# Altium PCB RF Front.PcbDoc
Units mil, origin at the board's own origin, x right, y up, seen from the top; angles counter-clockwise.
Board outline 2093 x 1828 mil, 4 copper layers (Top Layer, GND Layer, PWR Layer, Bottom Layer), stack 61.855 mil thick; 44 components, 28 nets, 139 pads, 497 vias.
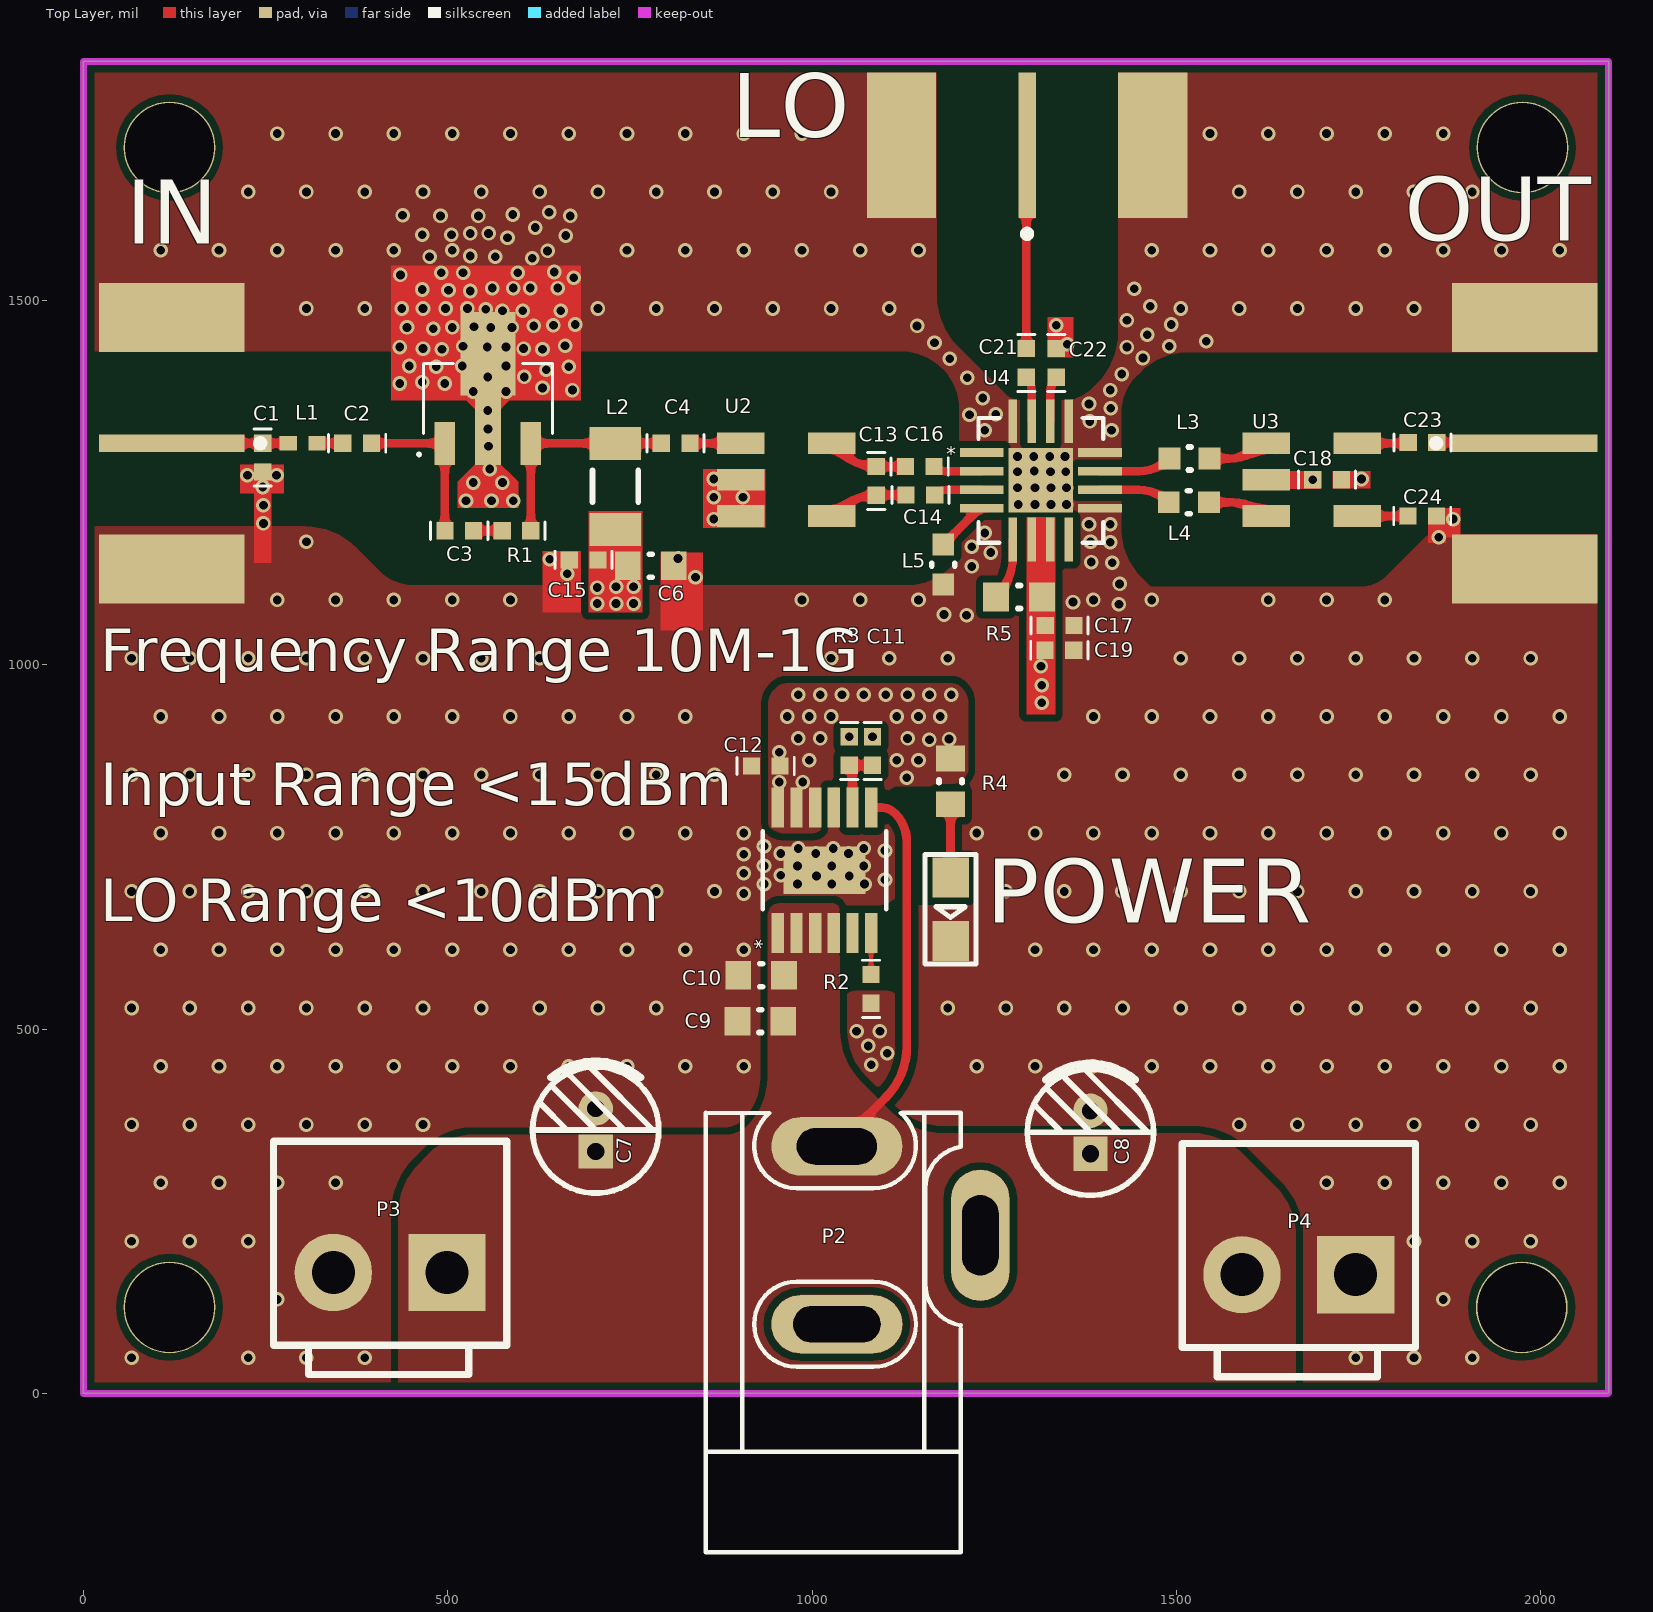
[diagram p0: Top Layer view]
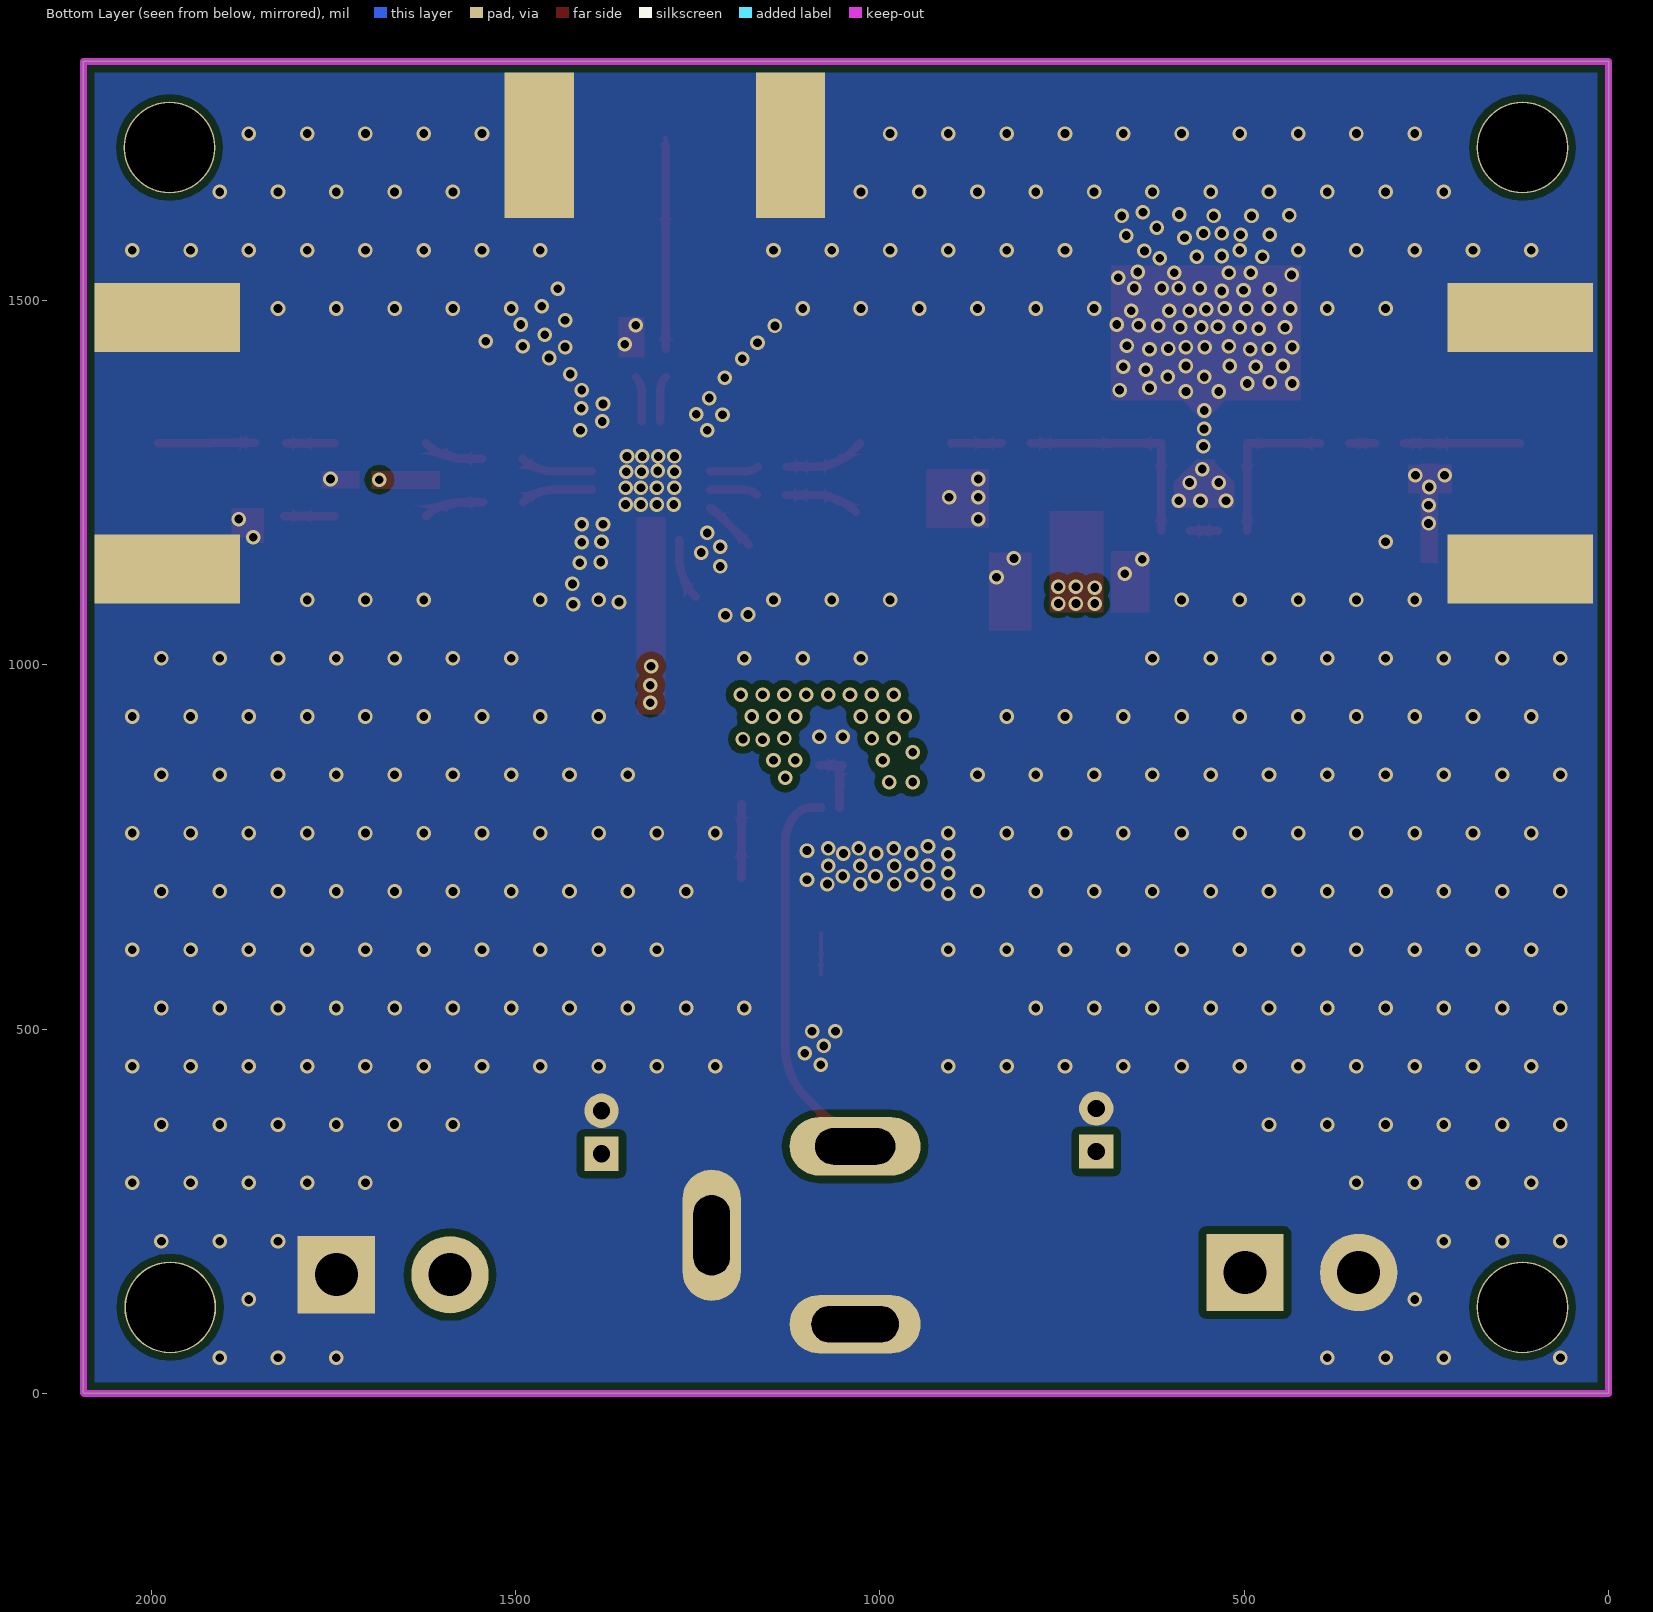
[diagram p1: Bottom Layer view, seen from below]
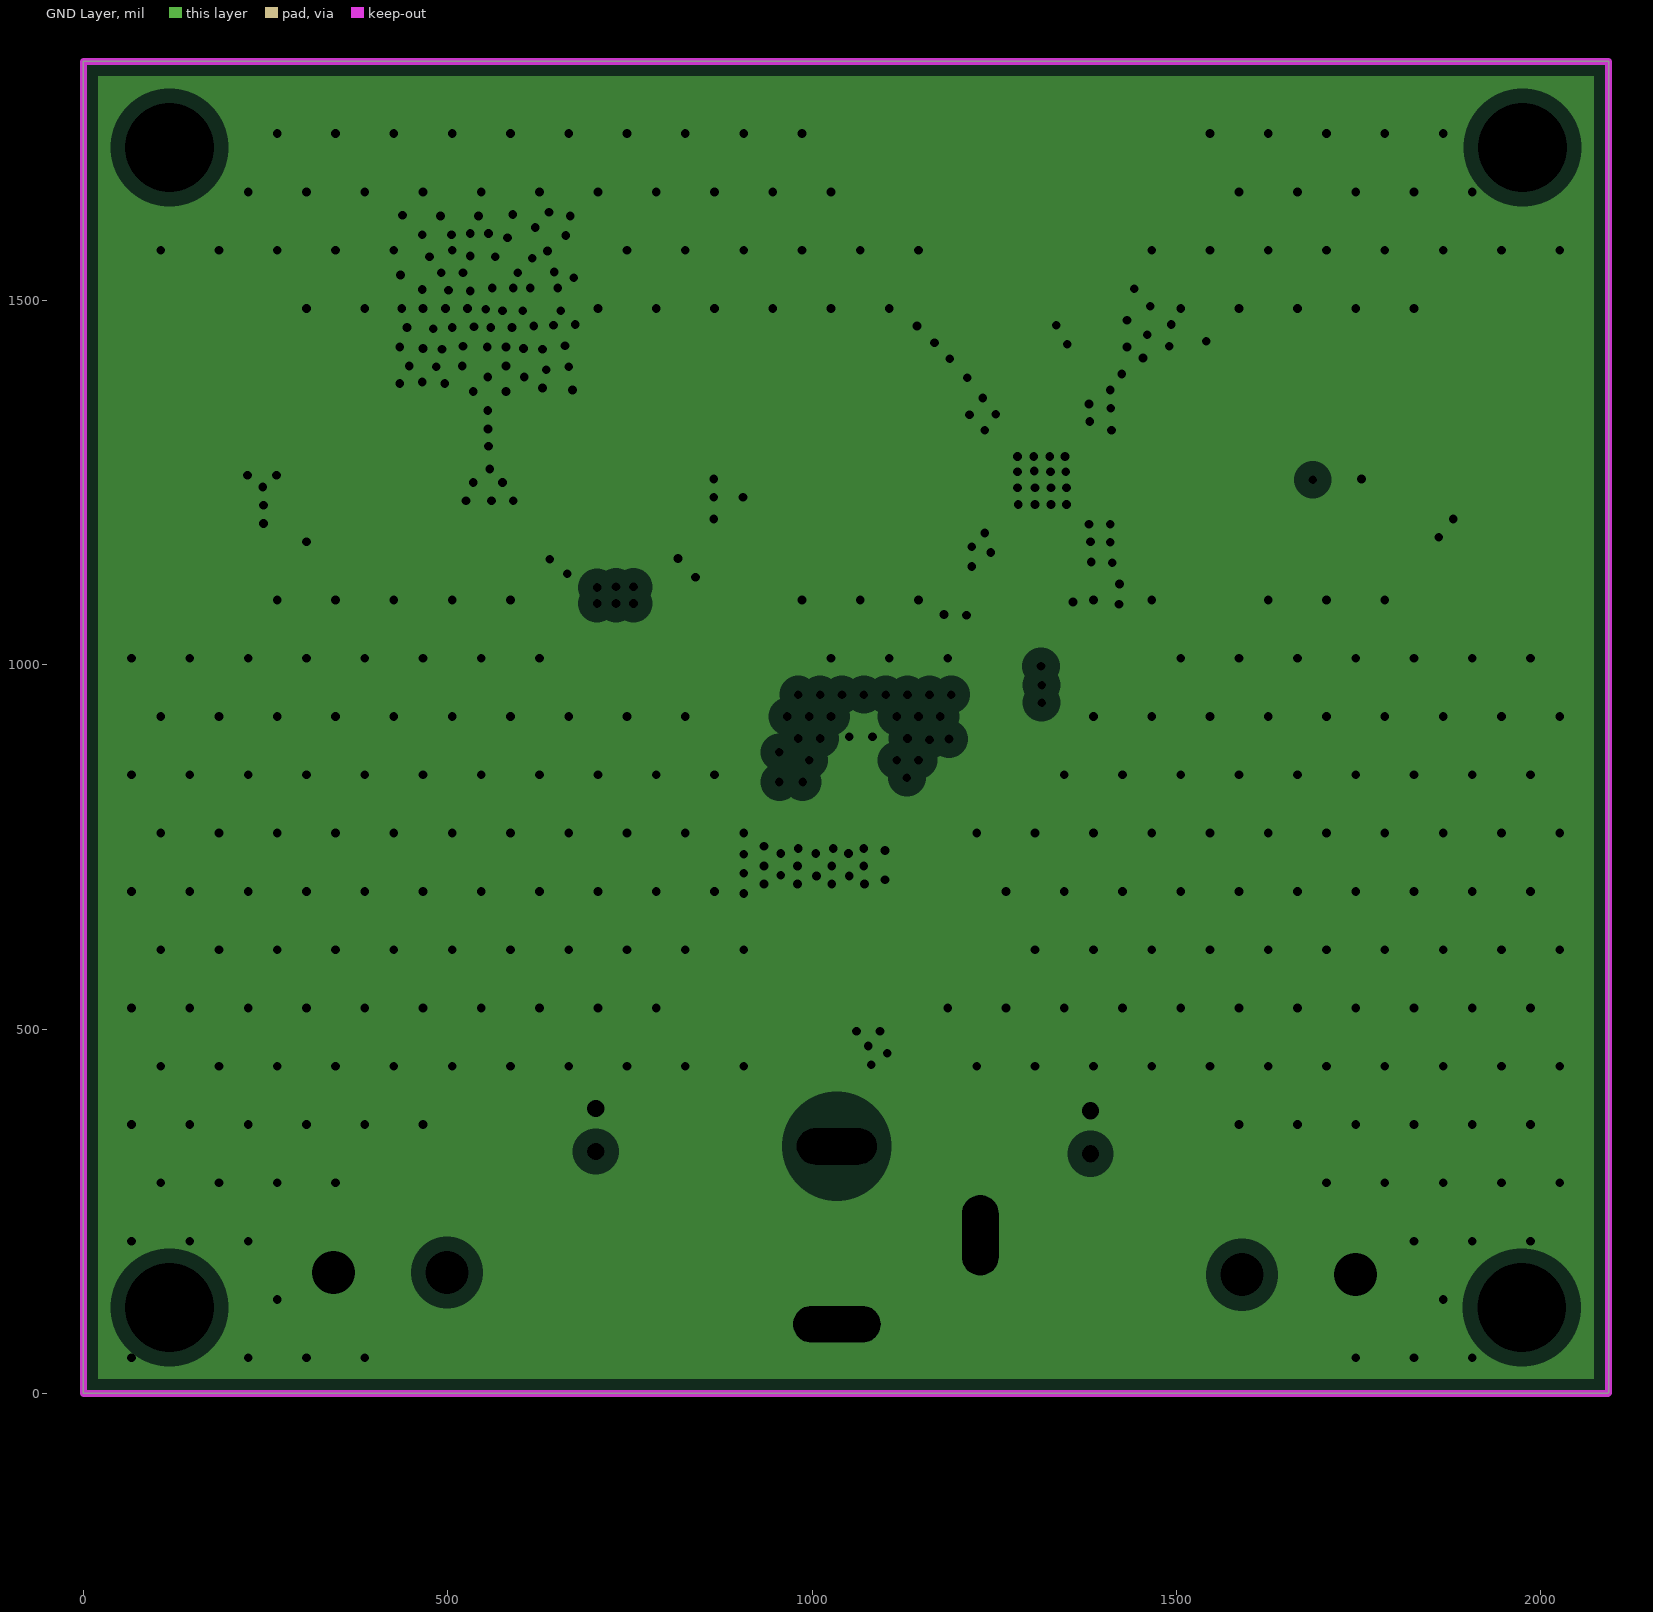
[diagram p2: GND Layer, clearances drawn from the general rule]
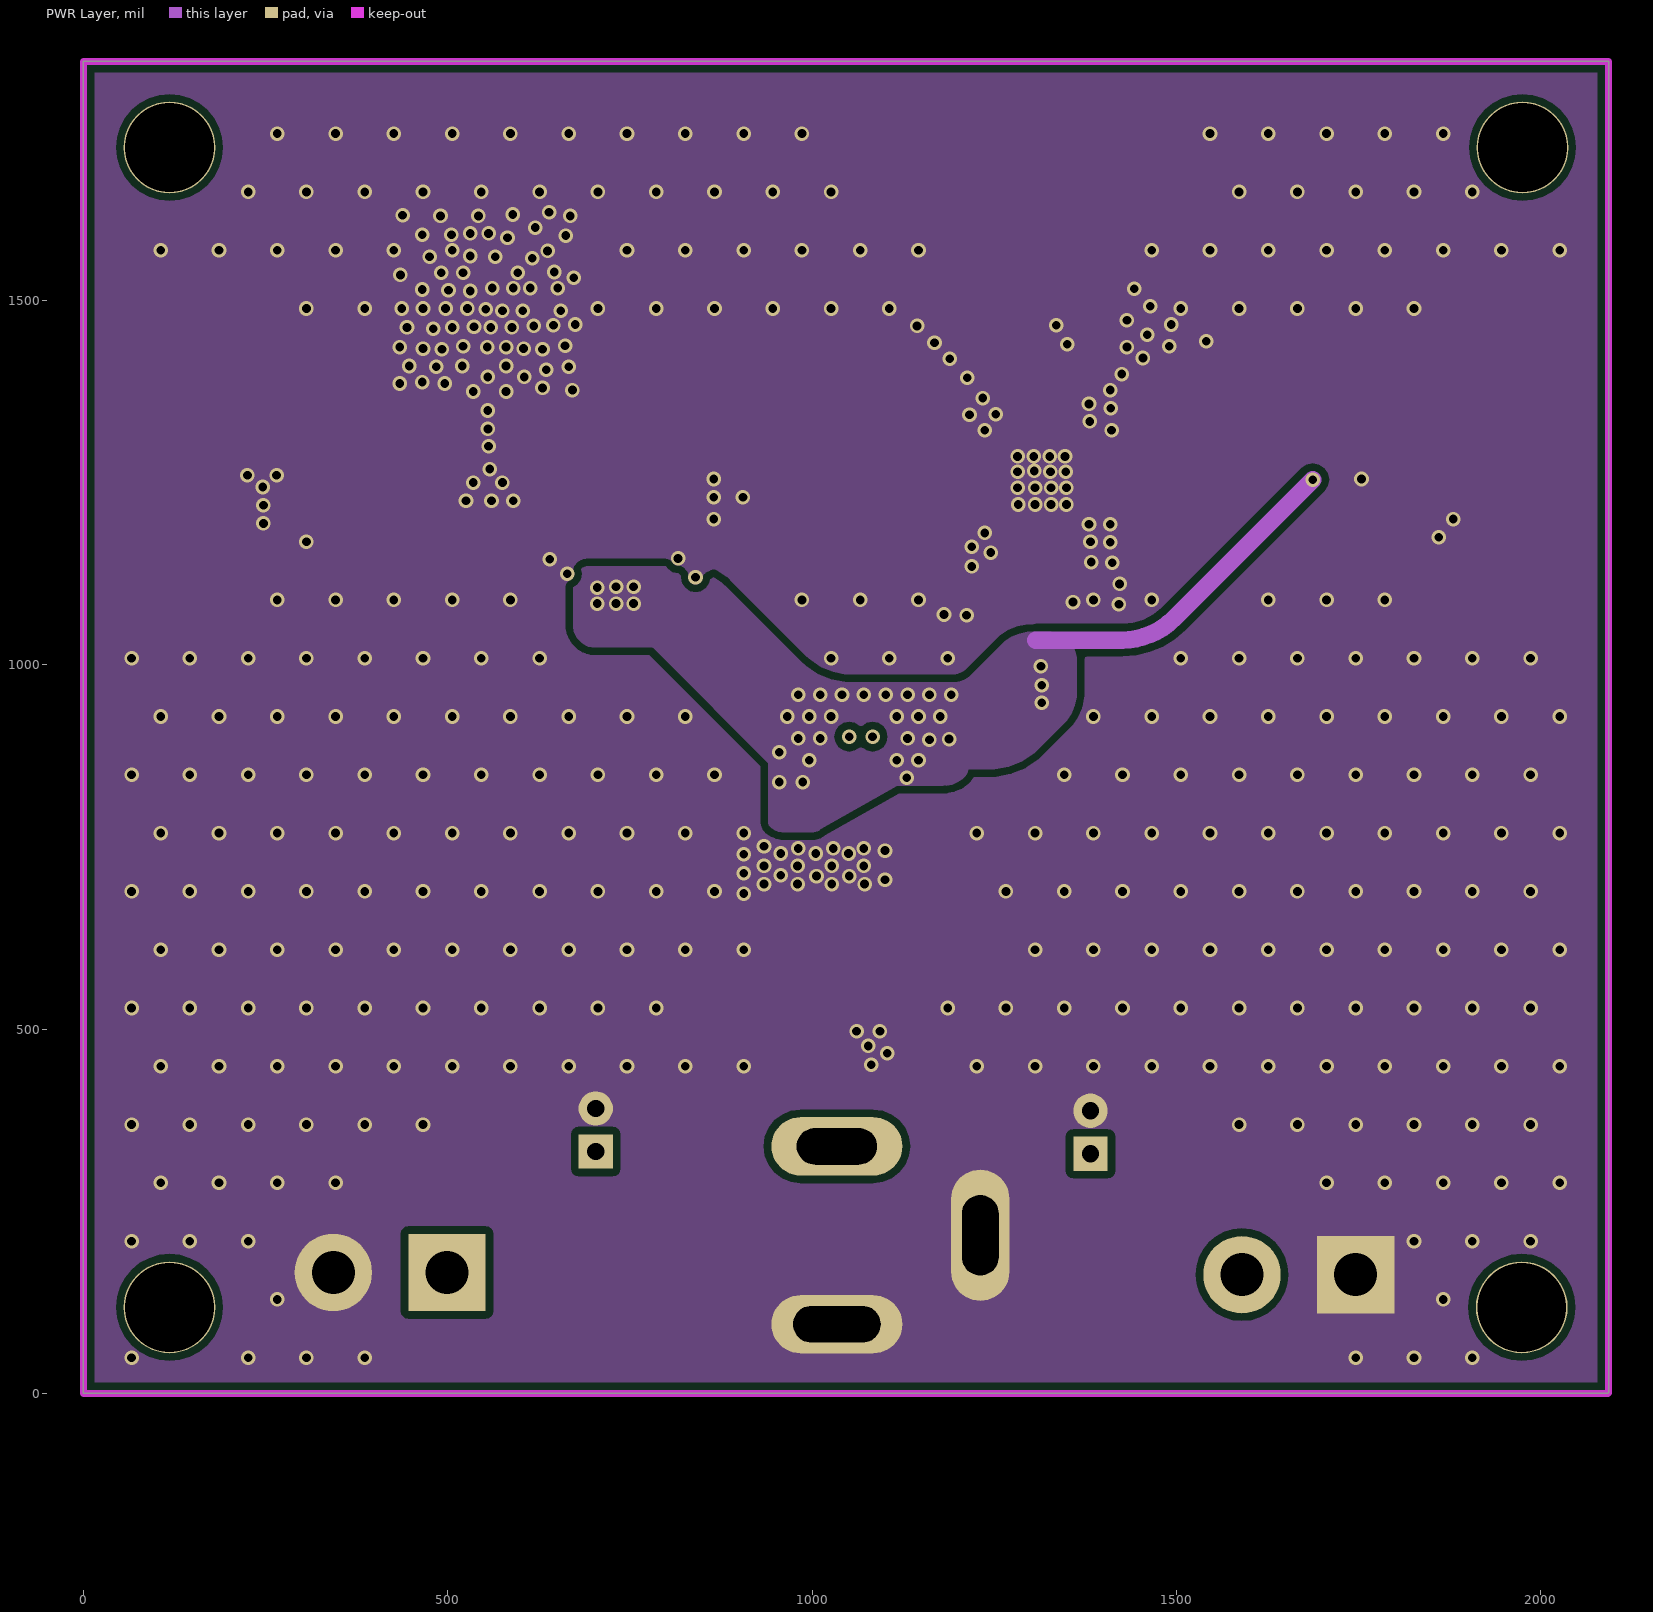
[diagram p3: PWR Layer]

## Layer stack, top to bottom
Top Solder: solder mask 0.4, Solder Resist, Dk 3.5
Top Layer: signal copper 1.4
Dielectric 1: core 7.874, FR-4, Dk 4.2
GND Layer: plane copper 0.689, net GND
Dielectric 3: prepreg 41.9291, Dk 4.2
PWR Layer: signal copper 0.689
Dielectric 2: core 7.874, Dk 4.2
Bottom Layer: signal copper 1.4
Bottom Solder: solder mask 0.4, Solder Resist, Dk 3.5

## Board outline
0,0 2092,0 2093,1 2093,1828 0,1828

## Design rules (kind name [scope] priority, off if disabled: settings)
Clearance [All] p1: gap=10 ignorepadtopadclearanceinfootprint=FALSE except(0: Arc-Hole Track-Hole SMDPad-Hole THPad-Hole Via-Hole Fill-Hole Poly-Hole Region-Hole Text-Hole)
PlaneClearance [All] p1: clearance=20
PlaneConnect [All] p1: planeconnectstyle=Direct reliefexpansion=20 reliefentries=4 reliefconductorwidth=10 reliefairgap=10
PolygonConnect [All] p1: connectstyle=Direct reliefconductorwidth=10 reliefentries=4 polygonreliefangle="90 Angle" airgapwidth=10
RoutingVias [All] p1: holewidth=28 width=50 viastyle="Through Hole" minholewidth=28 minwidth=50 maxholewidth=28 maxwidth=50
SolderMaskExpansion [All] p1: expansion=4
Width [All] p1: maxlimit=1000 minlimit=1 preferedwidth=11.55
28 further rules are at their usual default settings.

## Classes and differential pairs
component class "RF Front": C1 C2 C3 C4 C6 C7 C8 C9 C10 C11 C12 C13 C14 C15 C16 C17 C18 C19 C21 C22 C23 C24 L1 L2 L3 L4 L5 P2 P3 P4 R1 R2 R3 R4 R5 U2 U3 U4 ""

## Components (designator, comment, footprint, x,y, rotation, side; value= is the part's Value field where it differs from the comment)
C1 "1.5pF" 0402#1 246,1264.63 r90 top
C2 "2.2uF" 0402#1 395.37,1304 r180 top
C3 "0.1uF" 0402#1 535.37,1184 r180 top
C4 "2.2uF" 0402#1 832.37,1304 r180 top
C6 "10uF" 0603C 778.5,1136 r180 top
C7 "10uF" "CAP 1.5*4*8" 703,361.53 r90 top
C8 "10uF" "CAP 1.5*4*8" 1382,358.47 r90 top
C9 "10uF" 0603C 929,511 r180 top
C10 "10uF" 0603C 930,574 r180 top
C11 "0.47uF" 0402#1 1083,862 r90 top
C12 "10uF" 0402#1 916.63,861 r0 top
C13 "0.5p(up)/0.9(down)" 0402#1 1088,1232.63 r90 top
C14 "0.1uf" 0402#1 1168.37,1233 r180 top
C15 "1000pF" 0402#1 666.63,1144 r0 top
C16 "0.1uF" 0402#1 1128,1272 r0 top
C17 "1uF" 0402#1 1320,1054 r0 top
C18 "10nF" 0402#1 1726.37,1254 r180 top
C19 "10nF" 0402#1 1319.63,1020 r0 top
C21 "0.1uF" 0402#1 1294,1434 r270 top
C22 "0.1uF" 0402#1 1335,1394.63 r90 top
C23 "0.1uF" 0402#1 1818,1305 r0 top
C24 "0.1uF" 0402#1 1817.63,1204 r0 top
IC1 "PHA-13LN+" PHA13LN 555.06,1365.42 r0 top
L1 "5.1nH" 0402#2 300.68,1304 r0 top value=100uH
L2 "15uH" 1206C 730,1244.94 r270 top value=100uH
L3 "15nH(up)/0(down)" 0603L 1518,1283 r0 top value=100uH
L4 "220nH(up)/0(down)" 0603L 1517,1223 r180 top value=100uH
L5 "220nH(up)/0(down)" 0603L 1180,1137.5 r270 top value=100uH
LD1 "LED" SMDLED 1190.06,708.03 r270 top
P1 "SMA" SMA 217,1299 r0 top
P2 "DC005" DC10B 1204,-80 r90 top
P3 "3.96" 3.96 421,166 r180 top
P4 "3.96" 3.96 1668,163 r180 top
P5 "SMA" SMA 1882,1309 r180 top
P6 "SMA" SMA 1290,1617 r270 top
R1 "1k5" 0402#1 574.63,1184 r0 top
R2 "0.5K" 0402#1 1081,535.63 r90 top
R3 "50K" 0402#1 1051,901.37 r270 top
R4 "1.5K" 0603R 1190,840 r90 top
R5 "1k" 0603R 1284,1093 r0 top
U1 "LT3045EMSE" MSOP12-MSE-RevG_ADI 1017,718 r90 top
U2 "TC4-19LN+" AT224 964.5,1254 r90 top
U3 "TC4-19LN+" AT224 1685.5,1254 r90 top
U4 "LTC5510" QFN-16_UF 1314,1253 r0 top value=Value

## Footprints (in the part's own frame and the unit in brackets; to place one, negate y for a bottom-side part, rotate by r counter-clockwise, add the part's x,y. Pads: shape width x height; smd on the part's side, far side on the other; paste and mask are expansions set on the pad)
3.96 [mm] "接插件，25V/5A"
  rect 2.7x2.7 hole 1.5: 1(-1.98,0)
  round 2.7 hole 1.5: 2(1.982,0)
  silkscreen extent -4.06,-4.57 4.07,3.56, body extent -3.98,-4.4 4.03,4.16, height 10.5
0402#1 [mm]
  rect 0.6x0.6 smd: 1(0,0) 2(1,0)
  silkscreen extent -0.5,-0.3 1.5,0.3
0402#2 [mm] "Chip Capacitor, Body 1.0x0.5mm, IPC High Density"
  rect 0.6x0.5 smd: 1(-0.5,0) 2(0.5,0)
  body extent -0.55,-0.3 0.55,0.3, height 1.3
0603C [mm] "Chip Capacitor, Body 1.6x0.8mm, Height 1.0mm, IPC Medium Density"
  rect 0.9x1 smd: 1(-0.8,0) 2(0.8,0)
  silkscreen extent -0.05,-0.4 0.05,0.4, body extent -0.87,-0.48 0.88,0.47, height 1
0603L [mil] "Bead 0603L"
  rect 30x30 smd: 1(27.5,0) 2(-27.5,0)
  silkscreen extent -2,-16 2,16, body extent -34,-19 34,19, height 24
0603R [mm] "Chip Resistor, Body 1.6x0.8mm, IPC Medium Density"
  rect 0.9x1 smd: 1(-0.8,0) 2(0.8,0)
  silkscreen extent -0.05,-0.4 0.05,0.4, body extent -0.85,-0.47 0.85,0.47, height 0.6
1206C [mm] "Chip Capacitor, Body 3.2x1.6mm, Height 1mm, IPC Medium Density"
  rect 1.15x1.8 smd: 1(-1.5,0) 2(1.5,0)
  silkscreen extent -0.55,-0.8 0.55,0.8, body extent -1.7,-0.9 1.7,0.9, height 1
AT224 [mil]
  rect 30x65 smd: 1(-50,62.5) 2(0,62.5) 3(50,62.5) 4(50,-62.5) 6(-50,-62.5)
"CAP 1.5*4*8" [mm] "脚距1.5mm直径4mm高度8mm"
  rect 1.2x1.2 hole 0.6: 1(-0.75,0)
  round 1.2 hole 0.6: 2(0.75,0)
  silkscreen extent -2.2,-2.2 2.41,2.2, body extent -2,-2 2.02,2, height 8.04
DC10B [mil]
  oval 80x180 hole 50 slot 110 at 90 deg: 1(419.09,170)
  oval 80x180 hole 50 slot 120 at 90 deg: 2(175,170)
  oval 180x80 hole 50 slot 110 at 0 deg: 3(297.05,-26.85)
  silkscreen extent -138,0 465,350
MSOP12-MSE-RevG_ADI [mm]
  rect 1.393x0.431 smd paste+0 mask+0: 1(-2.185,1.625) 2(-2.185,0.975) 3(-2.185,0.325) 4(-2.185,-0.325) 5(-2.185,-0.975) 6(-2.185,-1.625) 7(2.185,-1.625) 8(2.185,-0.975) 9(2.185,-0.325) 10(2.185,0.325) 11(2.185,0.975) 12(2.185,1.625)
  rect 1.651x2.845 smd paste-1.41 mask+0: EPAD(0,0)
  silkscreen extent -1.36,-2.15 1.36,2.15, body extent 0,0 0.25,0.25, height 0.25
PHA13LN [mm]
  rect 0.71x1.5 smd: 1(-1.5,-1.56) 3(1.5,-1.56)
  rect 0.91x2.5 smd: 2(0,-1.06)
  rect 1.91x2.92 smd: 4(0,1.56)
  silkscreen extent -2.45,-2 2.25,1.22, body extent -2.25,-1.22 2.25,1.22, height 1.7
QFN-16_UF [mm]
  rect 1.524x0.299 smd paste+0 mask+0: 1(-2.062,0.975) 2(-2.062,0.325) 3(-2.062,-0.325) 4(-2.062,-0.975) 9(2.062,-0.975) 10(2.062,-0.325) 11(2.062,0.325) 12(2.062,0.975)
  rect 0.299x1.524 smd paste+0 mask+0: 5(-0.975,-2.062) 6(-0.325,-2.062) 7(0.325,-2.062) 8(0.975,-2.062) 13(0.975,2.062) 14(0.325,2.062) 15(-0.325,2.062) 16(-0.975,2.062)
  rect 2.25x2.25 smd paste-1.112 mask+0: 17(0,0)
  silkscreen extent -2.18,-2.18 2.18,2.18
SMA [mil]
  rect 200x24 smd: 1(-96,5)
  rect 200x95 smd: 2(-96,-167.5) 2(-96,177.5)
  rect 200x95 smd far side: 2(-96,-167.5) 2(-96,177.5) 2(-96,177.5)
  silkscreen extent 21,0 31,10, body extent -571,-183 -9,192, height 171
SMDLED [mm]
  rect 1.4x1.27 smd: 1(0.001,-0.002) 2(2.211,-0.002)
  silkscreen extent -0.8,-0.89 3.01,0.89

## Part data
C1 C2 C3 C4 C6 C7 C8 C9 C10 C11 C12 C13 C14 C15 C16 C17 C18 C19 C21 C22 C23 C24: library part C, "Capacitor"
IC1: "Integrated Circuit", Manufacturer_Name=Mini-Circuits, Mouser Part Number=139-PHA-13LN, Datasheet Link=https://www.minicircuits.com/pdfs/PHA-13LN+.pdf, Height=1.6mm, Manufacturer_Part_Number=PHA-13LN+, Mouser Price/Stock=https://www.mouser.co.uk/ProductDetail/Mini-Circuits/PHA-13LN%2b?qs=xZ%2FP%252Ba9zWqYkwnUBoTp7PQ%3D%3D
L1 L2 L3 L4 L5: library part Inductor, "Inductor", Published=8-Jun-2000, Publisher="Altium Limited", Revision="July-2002: Re-released for DXP Platform."
LD1: "Typical RED, GREEN, YELLOW, AMBER GaAs LED", PackageDocument=Feb-2002, LatestRevisionDate=17-Jul-2002, LatestRevisionNote="Re-released for DXP Platform.", PackageReference=3.2X1.6X1.1, Published=8-Jun-2000, Publisher="Altium Limited"
P1 P5 P6: "SMA Connector"
R1 R2 R3 R4 R5: library part Resistor, "Resistor"
U1: "No Description Available", Built_By=SunStream, Copyright="Copyright (C) 2018 Accelerated Designs. All rights reserved", Manufacturer_Part_Number=LT3045EMSE, RefDes=RefDes, SourceLibrary=Analog_Devices_Inc_2020-09-15, Type=DEV, Vendor="Analog Devices Inc"
U4: "1MHz 至 6GHz、宽带、高线性度有源混频器", Manufacturer_Part_Number=LTC5510IUF#TRPBF, Built_By=EMA_UL_Team, Copyright="Copyright (C) 2018 Accelerated Designs. All rights reserved", RefDes=RefDes, Type=DEV, Vendor="Linear Technology"

## Free pads (board coordinates)
  round 125.98 hole 122.05: 3(118.11,118.11) 3(118.11,1709.89) 3(1973.89,118.11) 3(1974.89,1709.89)

## Via types
v1: diameter 20, hole 12, Top Layer to Bottom Layer, tented both sides, 497 vias

## Nets (pads, with @x,y where several pads share a name; then routed paths per layer and width w, separated by ;. In a path a pad name is that pad's centre, name@x,y a point inside that pad or via, vN(x,y) a via of type N, cw(c..) or ccw(c..) an arc to the next point about the centre after c; other vN are vias at no path point)
GND: C1.1 C6.1 C7.2 C8.2 C9.2 C10.2 C11.2 C12.1 C15.1 C17.2 C18.1 C19.2 C22.2 C24.2 IC1.2 IC1.4 L5.1 LD1.2 P1.2 P2.2 P2.3 P3.2 P4.1 P5.2 P6.2 R2.1 R3.1 U1.9 U1.EPAD U2.1 U2.2 U4.9 U4.12 U4.13 U4.16 U4.17 | length 32
  Top Layer w5.78: C22.2 v1(1335,1466)
  other v1: 66,49 226,49 306,49 386,49 1746,49 1826,49 1906,49 266,129 1866,129 66,209 146,209 226,209 1826,209 1906,209 1986,209 106,289 186,289 266,289 346,289 1706,289 1786,289 1866,289 1946,289 2026,289 66,369 146,369 226,369 306,369 386,369 466,369 1586,369 1666,369 1746,369 1826,369 1906,369 1986,369 106,449 186,449 266,449 346,449 426,449 506,449 586,449 666,449 746,449 826,449 906,449 1226,449 1306,449 1386,449 1466,449 1546,449 1626,449 1706,449 1786,449 1866,449 1946,449 2026,449 1081,451 1103,467 1077,477 1061,497 1093,497 66,529 146,529 226,529 306,529 386,529 466,529 546,529 626,529 706,529 786,529 1186,529 1266,529 1346,529 1426,529 1506,529 1586,529 1666,529 1746,529 1826,529 1906,529 1986,529 106,609 186,609 266,609 346,609 426,609 506,609 586,609 666,609 746,609 826,609 906,609 1306,609 1386,609 1466,609 1546,609 1626,609 1706,609 1786,609 1866,609 1946,609 2026,609 906,686 66,689 146,689 226,689 306,689 386,689 466,689 546,689 626,689 706,689 786,689 866,689 1266,689 1346,689 1426,689 1506,689 1586,689 1666,689 1746,689 1826,689 1906,689 1986,689 934,699 980,699 1027,699 1072,699 1100,705 1006,710 1051,710 957,711 906,714 934,724 980,724 1027,724 1071,724 906,740 957,741 1005,741 1050,741 1100,745 981,748 1029,748 1071,748 934,751 106,769 186,769 266,769 346,769 426,769 506,769 586,769 666,769 746,769 826,769 906,769 1226,769 1306,769 1386,769 1466,769 1546,769 1626,769 1706,769 1786,769 1866,769 1946,769 2026,769 66,849 146,849 226,849 306,849 386,849 466,849 546,849 626,849 706,849 786,849 866,849 1346,849 1426,849 1506,849 1586,849 1666,849 1746,849 1826,849 1906,849 1986,849 1051,901.37 1083,901.37 106,929 186,929 266,929 346,929 426,929 506,929 586,929 666,929 746,929 826,929 1386,929 1466,929 1546,929 1626,929 1706,929 1786,929 1866,929 1946,929 2026,929 66,1009 146,1009 226,1009 306,1009 386,1009 466,1009 546,1009 626,1009 1026,1009 1106,1009 1186,1009 1506,1009 1586,1009 1666,1009 1746,1009 1826,1009 1906,1009 1986,1009 1212,1068 1181,1069 1421,1083 1358,1086 266,1089 346,1089 426,1089 506,1089 586,1089 986,1089 1066,1089 1146,1089 1386,1089 1466,1089 1626,1089 1706,1089 1786,1089 1422,1111 840,1120 664,1125 1219,1135 1412,1140 1383,1141 640,1145 816,1146 1245,1154 1219,1162 1409,1168 306,1169 1382,1169 1860,1175 1237,1181 1380,1193 1409,1193 247,1194 865,1200 1880,1200 247,1219 1283,1220 1306,1220 1328,1220 1349,1220 525,1225 560,1225 590,1225 865,1230 905,1230 1282,1243 1306,1243 1328,1243 1349,1243 246,1244 535,1250 575,1250 865,1255 1754,1255 225,1260 265,1260 1282,1265 1327,1265 1348,1265 1305,1266 557.43,1268.56 1282,1286 1304,1286 1326,1286 1347,1286 556,1300 1237,1322 1411,1322 555.06,1323.69 1381,1334 1216,1343 1252,1344 555,1349 1410,1352 1380,1358 1234,1366 535,1375 580,1375 671,1377 1409,1377 630,1380 434,1386 496,1386 465,1388 1213,1394 555,1395 605,1395 1425,1399 635,1405 484,1409 666,1409 447,1410 520,1410 580,1410 1189,1420 1454,1421 492,1433 630,1433 466,1434 604,1434 434,1436 554,1436 580,1436 1432,1436 521,1437 1490,1437 661,1438 1350,1440 1168,1442 1541,1444 1460,1453 480,1461 444,1463 506,1463 559,1463 588,1463 536,1464 618,1465 1144,1465 645,1466 675,1467 1493,1467 1432,1473 575,1486 603,1486 655,1486 552,1488 306,1489 386,1489 437,1489 466,1489 497,1489 527,1489 706,1489 786,1489 866,1489 946,1489 1026,1489 1106,1489 1506,1489 1586,1489 1666,1489 1746,1489 1826,1489 1464,1492 531,1513 501,1514 465,1515 1442,1516 561,1517 590,1517 613,1517 651,1517 673,1531 435,1535 491,1538 521,1538 596,1538 646,1539 616,1558 475,1560 565,1560 531,1561 637,1568 106,1569 186,1569 266,1569 346,1569 426,1569 506,1569 746,1569 826,1569 906,1569 986,1569 1066,1569 1146,1569 1466,1569 1546,1569 1626,1569 1706,1569 1786,1569 1866,1569 1946,1569 2026,1569 582,1586 662,1589 465,1590 505,1590 531,1592 556,1592 620,1600 490,1616 542,1616 668,1616 438,1617 589,1618 639,1621 226,1649 306,1649 386,1649 466,1649 546,1649 626,1649 706,1649 786,1649 866,1649 946,1649 1026,1649 1586,1649 1666,1649 1746,1649 1826,1649 1906,1649 266,1729 346,1729 426,1729 506,1729 586,1729 666,1729 746,1729 826,1729 906,1729 986,1729 1546,1729 1626,1729 1706,1729 1786,1729 1866,1729
NetC1_2: C1.2 L1.1 P1.1 | length 160
  Top Layer w11.55: P1.1 C1.2 L1.1
NetC2_1: C2.1 C3.2 IC1.1 | length 220.6
  Top Layer w11.55: C2.1 IC1.1 C3.2
NetC2_2: C2.2 L1.2 | length 35.6
  Top Layer w11.55: L1.2 C2.2
NetC3_1: C3.1 R1.1 | length 39.3
  Top Layer w11.55: C3.1 R1.1
NetC4_2: C4.2 IC1.3 L2.1 R1.2 | length 298.8
  Top Layer w11.55: R1.2 IC1.3@614,1303.89 ; IC1.3 L2.1 C4.2
NetC11_1: C11.1 R3.2 U1.8 | length 91.1
  Top Layer w12: U1.8 1055.39,851.41 ccw(c1040.41,851.41) R3.2 C11.1
NetC13_1: C13.1 C14.2 U2.6 | length 163.4
  Top Layer w5.78: U2.6@1032.74,1209.74 cw(c1088,1154.48) C13.1
  Top Layer w11.55: U2.6@1033.11,1210.11 cw(c1088.37,1154.85) 1088.37,1233 C14.2
NetC13_2: C13.2 C16.1 U2.4 | length 111.2
  Top Layer w11.55: U2.4 1038.49,1292.51 ccw(c1088,1342.01) C13.2 C16.1
NetC14_1: C14.1 U4.3 | length 66.4
  Top Layer w11.55: C14.1 cw(c1185.76,1215.61) 1185.76,1240.2 U4.3
NetC16_2: C16.2 U4.2 | length 67.1
  Top Layer w11.55: C16.2 ccw(c1182.35,1286.98) 1182.35,1265.8 U4.2
NetC21_1: C21.1 P6.1 | length 291.9
  Top Layer w5.78: P6.1@1294,1710.59 1294,1720.59 cw(c1297.41,1720.59) P6.1@1295,1723
  Top Layer w11.55: C21.1 1294,1710.59 cw(c1297.41,1710.59) P6.1
NetC21_2: C21.2 U4.15 | length 62.4
  Top Layer w11.55: C21.2 cw(c1276.61,1377.24) 1301.2,1377.24 U4.15
NetC22_1: C22.1 U4.14 | length 62.6
  Top Layer w11.55: U4.14 1326.8,1374.82 cw(c1354.81,1374.82) C22.1
NetC23_1: C23.1 U3.4 | length 70.3
  Top Layer w5.78: C23.1@1815.59,1304 ccw(c1815.59,1307.41) C23.1
  Top Layer w11.55: U3.4 C23.1@1815.59,1304
NetC23_2: C23.2 P5.1 | length 133.9
  Top Layer w11.55: C23.2 1917.59,1305 cw(c1917.59,1301.59) 1920,1304 P5.1 P5.1@1991,1304
NetC24_1: C24.1 U3.6 | length 69.6
  Top Layer w11.55: U3.6 C24.1
NetL3_1: L3.1 U3.3 | length 83.1
  Top Layer w11.55: L3.1 1572.3,1283 ccw(c1572.3,1354.7) U3.3
NetL3_2: L3.2 U4.11 | length 99.9
  Top Layer w11.55: U4.11 1448.96,1265.8 ccw(c1448.96,1324.54) L3.2
NetL4_2: L4.2 U3.1 | length 83.6
  Top Layer w11.55: L4.2 1577.13,1223 cw(c1577.13,1158.13) U3.1
NetL5_2: L5.2 U4.4 | length 73
  Top Layer w11.55: L5.2 1227.35,1212.35 cw(c1232.82,1206.88) U4.4
NetLD1_1: LD1.1 R4.1 | length 100.5
  Top Layer w12: LD1.1 R4.1
NetR2_2: R2.2 U1.6 | length 57
  Top Layer w5.78: R2.2 U1.6
NetR5_1: R5.1 U4.5 | length 85
  Top Layer w11.55: R5.1 ccw(c1196.71,1148.79) 1275.61,1148.79 U4.5
OUT1: C4.1 U2.3 | length 69.6
  Top Layer w11.55: C4.1 U2.3
OUT2: L4.1 U4.10 | length 98.9
  Top Layer w11.55: U4.10 1447.96,1240.2 cw(c1447.96,1181.46) L4.1
VCC: C7.1 C8.1 C9.1 C10.1 P2.1 P3.1 P4.2 U1.1 U1.2 U1.3 U1.4 U1.7 | length 531.8
  Top Layer w12: P2.1 1100.71,405.8 ccw(c1030,476.52) 1130,476.52 1130,757.37 ccw(c1075.37,757.37) 1114,796 ccw(c1094.63,776.63) 1094.63,804.02 U1.7
VCC1: C6.2 C12.2 C15.2 C17.1 C18.2 C19.1 L2.2 R4.2 R5.2 U1.10 U1.11 U1.12 U3.2 U4.6 U4.7 | length 466.8
  PWR Layer w24: 1307,1034 1425.58,1034 ccw(c1425.58,1134) 1496.29,1063.29 v1(1687,1254)
  other v1: 955,839 987,839 1130,845 996,869 1116,869 1146,869 955,880 1161,897 1188,898 981,899 1011,899 1131,899 966,929 996,929 1026,929 1116,929 1146,929 1176,929 1315,948 981,959 1011,959 1041,959 1071,959 1101,959 1131,959 1161,959 1191,959 1315,972 1314,998 705,1084 731,1084 755,1084 705,1106 731,1107 755,1107
pads on no net: U1.5 U4.1 U4.8

## Polygon pours and split planes (outlines as drawn)
GND on Top Layer "Top Layer-No Net" (solid, pour order 8): -1,1829 2092.59,1829 ccw(c2092.59,1832.41) 2095,1830 2095,5.66 ccw(c2108.66,5.66) 2099,-4 9.07,-4 ccw(c9.07,-21.07) -3,-9
VCC1 on Top Layer "Top Layer-No Net" (solid, pour order 2): 1015,777 1011.24,773.24 cw(c1001,783.49) 1001,769 961.31,769 cw(c961.31,796.31) 942,777 cw(c946.83,781.83) 940,781.83 940,946.69 cw(c967.31,946.69) 948,966 950.64,968.64 cw(c966,953.27) 966,975 1190.51,975 cw(c1190.51,954.51) 1205,969 cw(c1183.27,947.27) 1214,947.27 1214,857.07 cw(c1196.93,857.07) 1209,845 cw(c1180.03,873.97) 1180.03,833 1114,833
VCC on Top Layer "Top Layer-No Net" (solid, pour order 0): 956.07,673 ccw(c956.07,655.93) 944,668 ccw(c956.07,655.93) 939,655.93 939,433.18 cw(c846.82,433.18) 912,368 cw(c880.62,399.38) 880.62,355 535.36,355 ccw(c535.36,269.64) 475,330 461.29,316.29 ccw(c532,245.58) 432,245.58 432,0 1664,0 1664,214.58 ccw(c1564,214.58) 1634.71,285.29 1592.29,327.71 ccw(c1521.58,257) 1521.58,357 1179.42,357 cw(c1179.42,457) 1108.71,386.29 1067.29,427.71 cw(c1138,498.42) 1038,498.42 1038,661.34 ccw(c1024.34,661.34) 1034,671 ccw(c1029.17,666.17) 1029.17,673
GND on PWR Layer "Top Layer-No Net" (solid, pour order 12): 0,1828 2093,1828 2093,1 2.41,1 ccw(c2.41,-2.41) 0,0
VCC1 on PWR Layer "Top Layer-No Net" (solid, pour order 6): 684.17,1132.17 ccw(c713.26,1102.91) 672,1103.03 672,1055 ccw(c703.38,1055) 681.19,1032.81 683,1031 ccw(c699.9,1047.9) 699.9,1024 780,1024 cw(c780,1021.59) 781.71,1023.29 947,858 ccw(c950.89,861.89) 950.89,856.39 1240.97,856.39 ccw(c1240.97,956.39) 1311.68,885.68 1345,919 ccw(c1301.54,962.46) 1363,962.46 1363,1007 ccw(c1331.62,1007) 1353.81,1029.19 1345,1038 ccw(c1328.1,1021.1) 1328.1,1045 1301.04,1045 ccw(c1301.04,986.96) 1260,1028 1218.94,986.94 cw(c1192.53,1013.34) 1192.53,976 1054.42,976 cw(c1054.42,1076) 983.71,1005.29 883.29,1105.71 ccw(c812.58,1035) 812.58,1135 691,1135 ccw(c691,1125.34)
VCC1 on PWR Layer "Top Layer-No Net" (solid, pour order 4): 1011.24,774.24 cw(c1001,784.48) 1001,770 961.31,770 cw(c961.31,797.31) 942,778 cw(c946.83,782.83) 940,782.83 940,947.69 cw(c967.31,947.69) 948,967 950.64,969.64 cw(c966,954.27) 966,976 1190.51,976 cw(c1190.52,955.52) 1205,970 cw(c1183.27,948.27) 1214,948.27 1214,858.07 cw(c1196.93,858.07) 1209,846 cw(c1180.03,874.97) 1180.03,834 1116.89,834
GND on Bottom Layer "Top Layer-No Net" (solid, pour order 10): 0,1828 2092,1828 cw(c2082.34,1818.34) 2096,1818.34 2096,-2.59 ccw(c2099.41,-2.59) 2097,-5 4.24,-5 cw(c4.24,5.24) -3,-2
GND on GND Layer (split plane): 2072.9,20.1 20.1,20.1 20.1,1807.9 2072.9,1807.9

## Keep-outs
Keep-Out Layer:
  the board outline again, w10

## Other copper
Top Layer:
  rectangle net GND: 1845,1175 1890,1215
  rectangle net GND: 215,1235 275,1275
  rectangle net GND: 1323,1422 1359,1477
  rectangle net GND: 540,1240 563,1282
  rectangle net GND: 513.59,1215 597,1251.59
  region net GND: 579.74,1233.74 597,1251 563.77,1284.23 546.5,1266.97
  region net GND: 557.44,1268.56 544,1282 513.59,1251.59 527.03,1238.16
  rectangle net GND: 422,1363 683,1548
  region net GND: 541.5,1354.03 558.77,1336.77 592,1370 574.74,1387.26
  region net GND: 551.23,1336.77 568.5,1354.03 535.26,1387.26 518,1370
  rectangle net GND: 1714,1242 1766,1266
  rectangle net GND: 1845,1167 1870,1215
  rectangle net VCC1: 1604,1241 1698,1266
  rectangle net GND: 234,1140 258,1276
  rectangle net GND: 850,1188 936,1269
  rectangle net GND: 792,1047 850,1154
  rectangle net GND: 630,1072 682.8,1156
  rectangle net VCC1: 1294,932 1334,1203
  rectangle net VCC1: 693,1072 767,1211
  pour cut-out: 1165,670.25 1146.31,670.25 cw(c1146.31,686.08) 1135.12,674.88 1135,675 cw(c1159.14,699.14) 1125,699.14 1125,780 ccw(c1100.86,780) 1117.93,797.07 1105,810 cw(c1117.91,822.91) 1099.65,822.91 1099.65,829.85 ccw(c1110.51,829.85) 1102.83,822.17 1105,820 cw(c1111.77,813.23) 1111.77,822.8 1169.7,822.8 ccw(c1169.7,830.3) 1175,825 1179.39,820.61 cw(c1153.79,795) 1190,795 1190,716.21 cw(c1138.79,716.21) 1175,680
  pour cut-out: 1089.86,670 ccw(c1089.86,704.14) 1114,680 cw(c1104.34,670.34) 1118,670.34 1118,557.66 cw(c1104.34,557.66) 1114,548 ccw(c1101.93,535.93) 1101.93,553 1060.07,553 ccw(c1060.07,535.93) 1048,548 cw(c1062.49,562.49) 1042,562.49 1042,665.17 cw(c1048.83,665.17) 1044,670
  pour cut-out: 2090,1429 1519.42,1429 ccw(c1519.42,1329) 1448.71,1399.71 1445,1396 ccw(c1495.7,1345.3) 1424,1345.3 1424,1189.42 ccw(c1524,1189.42) 1453.29,1118.71 1463,1109 ccw(c1467.83,1113.83) 1467.83,1107 1751,1107 ccw(c1751,1161.24) 1789.35,1122.89 1839.94,1173.48 cw(c1853.27,1160.15) 1853.27,1179 2091,1179
  pour cut-out: 1171,1823 1171,1507.42 ccw(c1271,1507.42) 1200.29,1436.71 1264.81,1372.19 ccw(c1287,1394.39) 1287,1363 1343.96,1363 ccw(c1343.96,1421.04) 1385,1380 1390.71,1385.71 ccw(c1320,1456.42) 1420,1456.42 1420,1823
  pour cut-out: 14,1430 1121.06,1430 cw(c1121.06,1348.06) 1179,1406 cw(c1123.47,1350.47) 1202,1350.47 1202,1162.97 cw(c1161.03,1162.97) 1190,1134 cw(c1129.64,1194.36) 1129.64,1109 454.74,1109 cw(c454.74,1178.39) 405.68,1129.32 374.29,1160.71 ccw(c303.58,1090) 303.58,1190 17.71,1190 ccw(c17.71,1186.59) 15.29,1189

## Silkscreen, mask and mechanical layers (free items; w line width, h text height)
Top Overlay:
  text "LO" at 890,1695 h150
  text "OUT" at 1813,1553 h150
  text "IN" at 59,1549 h150
  text "Frequency Range 10M-1G" at 22.91,972 h100
  text "Input Range <15dBm" at 23,788 h100
  text "LO Range <10dBm" at 22.91,629 h100
  text "POWER" at 1240,617 h150
Top Solder:
  rectangle: 1758,375 2076,972
  rectangle: 1299,16 1497,264
  rectangle: 586,16 849,270
  region: 579.74,1234.74 597,1252 563.77,1285.23 546.5,1267.97
  region: 556.41,1268.41 542.97,1281.84 512.56,1251.44 526,1238
  rectangle: 533,1241 577,1271
  rectangle: 513,1214 597,1252
  rectangle: 422,1350 685,1639
Bottom Solder:
  rectangle: 879,620 1143,827
  rectangle: 1201,1156 1426,1371
  rectangle: 408,1086 690,1632

## Text inside footprints (layer, text, board x,y; h text height)
U1: Top Overlay "*" at 941.06,609.48 h20 r90
U4: Top Overlay "*" at 1183.79,1279.18 h20